# Altium PCB LimeSDR-QPCIe_1v2.PcbDoc (part 14 of 21)
Units mm, origin at the board's own origin, x right, y up, seen from the top; angles counter-clockwise.
Board outline 190 x 111.15 mm, 14 copper layers (Top, L2, L3, L4, L5, L6, L7, L8, L9, L10, L11, L12, L13, Bottom), stack 1.907 mm thick; 2014 components, 1408 nets, 9111 pads, 4171 vias.
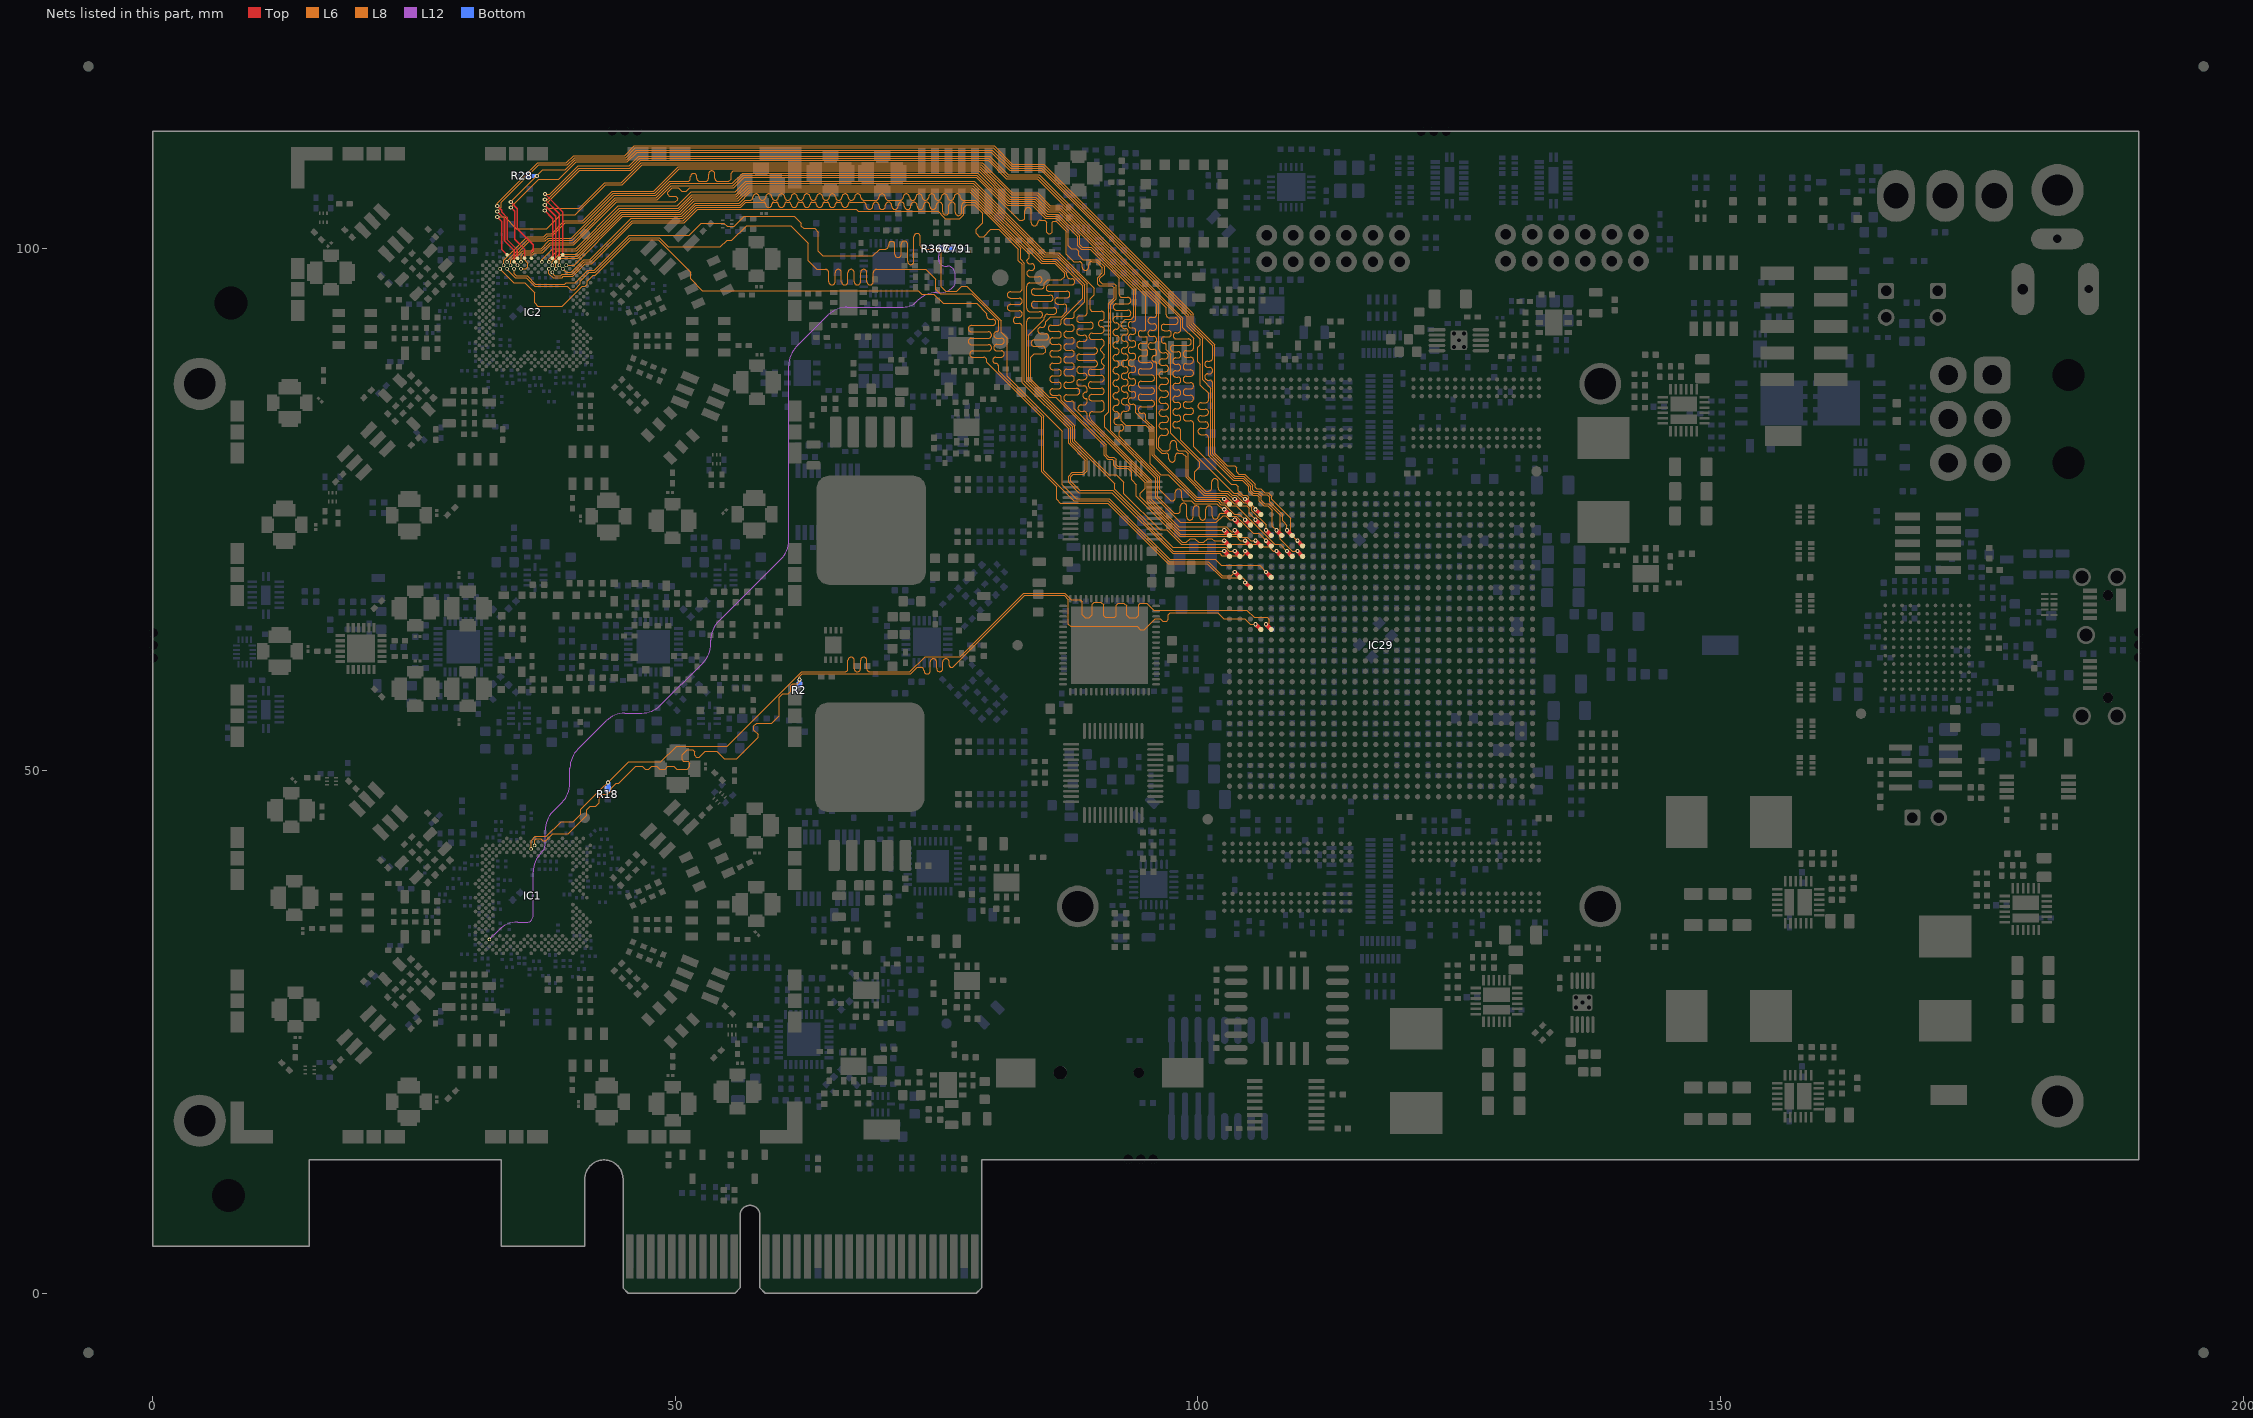
[diagram p26: the nets of this part, all layers, seen from the top]

## Via types
v1: diameter 0.4, hole 0.2, Top to Bottom, tented both sides, 3282 vias
v2: diameter 0.4, hole 0.2, Top to Bottom, tented top, 531 vias
v3: diameter 0.35, hole 0.2, Top to Bottom, tented top, 210 vias
v4: diameter 0.5, hole 0.2, Top to Bottom, tented both sides, 99 vias
v5: diameter 0.5, hole 0.2, Top to Bottom, tented bottom, 49 vias

## Nets (pads, with @x,y where several pads share a name; then routed paths per layer and width w, separated by ;. In a path a pad name is that pad's centre, name@x,y a point inside that pad or via, vN(x,y) a via of type N, cw(c..) or ccw(c..) an arc to the next point about the centre after c; other vN are vias at no path point) (continued)
LMS1_TXNRX1: IC1.V32 IC29.U27 R2.1 | length 96.6
  Top w0.4: v2(105.525,64) IC29.U27@106.025,63.5
  L8 w0.1: v3(36.546,42.843) 36.546,43.346 36.701,43.501 37.124,43.501 37.325,43.3 37.592,43.3 38.261,43.968 39.768,43.968 41.55,45.75 41.55,46.25 41.875,46.575 42.375,46.575 42.725,46.925 42.725,47.425 43.025,47.725 43.525,47.725 43.85,48.05 43.85,48.325 44.338,48.813 44.613,48.813 46.225,50.425 46.85,50.425 47.125,50.15 47.475,50.15 47.725,50.4 48.25,50.4 48.5,50.15 49.025,50.15 49.275,50.4 49.875,50.4 50.125,50.15 51.15,50.15 51.4,50.4 51.4,50.725 51.225,50.9 50.775,50.9 50.65,51.025 50.65,51.525 51.125,52 51.675,52 51.85,51.825 51.85,51.475 52.025,51.3 52.3,51.3 52.85,51.85 53.975,51.85 54.7,51.125 55.867,51.125 57.95,53.208 57.95,53.455 57.525,53.88 57.525,54.275 57.775,54.525 59.225,54.525 59.95,55.25 59.95,57.031 60.294,57.375 60.792,57.375 61.025,57.608 61.025,58.106 61.219,58.3 61.717,58.3 61.875,58.458 v1(61.875,58.7) 61.875,58.956 62.169,59.25 72.533,59.25 73.158,59.875 73.5,59.875 cw(c73.5,59.575) 73.8,59.575 73.8,59.55 ccw(c74.1,59.55) 74.1,59.25 ccw(c74.1,59.55) 74.4,59.55 74.4,59.875 74.4,60.4 cw(c74.7,60.4) 74.7,60.7 cw(c74.7,60.4) 75,60.4 75,59.875 75,59.771 ccw(c75.3,59.771) 75.3,59.471 ccw(c75.3,59.771) 75.6,59.771 75.6,59.875 75.6,60.4 cw(c75.9,60.4) 75.9,60.7 cw(c75.9,60.4) 76.2,60.4 76.2,60.1 ccw(c76.425,60.1) 76.425,59.875 76.533,59.875 83.433,66.775 87.192,66.775 87.6,66.367 87.6,64.025 87.825,63.8 94.2,63.8 94.5,63.5 94.875,63.5 95.925,64.55 96.408,64.55 96.658,64.3 97,64.3 97.175,64.475 97.175,64.925 97.375,65.125 101.9,65.125 102.475,64.55 104.475,64.55 105.025,64 v2(105.525,64)
  Bottom w0.4: R2.1@61.875,58.2 v1(61.875,58.7)
LMS1_TXNRX2: IC1.U31 IC29.U26 R18.1 | length 96.3
  Top w0.4: v2(106.525,64) IC29.U26@107.025,63.5
  L8 w0.1: v3(36.213,42.51) 36.213,43.296 36.618,43.701 37.676,43.701 39.075,45.1 40.25,45.1 40.975,45.825 40.975,46.3 45.526,50.85 48.625,50.85 50.125,52.35 54.986,52.35 62.086,59.45 66.225,59.45 ccw(c66.225,59.75) 66.525,59.75 66.525,60.551 cw(c66.825,60.551) 66.825,60.851 cw(c66.825,60.551) 67.125,60.551 67.125,59.75 ccw(c67.425,59.75) 67.425,59.45 ccw(c67.425,59.75) 67.725,59.75 67.725,60.551 cw(c68.025,60.551) 68.025,60.851 cw(c68.025,60.551) 68.325,60.551 68.325,59.75 ccw(c68.625,59.75) 68.625,59.45 69.175,59.45 72.45,59.45 73.9,60.9 77.275,60.9 83.35,66.975 87.275,66.975 87.9,66.35 88.75,66.35 88.95,66.15 88.95,64.9 89.225,64.625 89.6,64.625 89.9,64.925 89.9,65.925 90.075,66.1 90.725,66.1 90.975,65.85 90.975,64.825 91.15,64.65 92.025,64.65 92.175,64.8 92.175,65.8 92.4,66.025 92.925,66.025 93.2,65.75 93.2,64.85 93.425,64.625 94.1,64.625 94.325,64.85 94.325,65.875 94.475,66.025 95.125,66.025 95.8,65.35 104.68,65.35 105.38,64.65 106.625,64.65 106.825,64.45 106.825,64.1 106.725,64 v2(106.525,64)
  Bottom w0.4: v1(43.55,48.85) 43.6,48.8 R18.1@43.6,48.225
LMS1_TXPLL_CLK: C791.2 IC1.E5 R367.1 | length 94.3
  L12 w0.1: v3(32.217,33.852) 33.109,34.744 cw(c34.905,32.948) 34.905,35.488 35.798,35.488 ccw(c35.798,36.088) 36.398,36.088 36.398,40.311 cw(c38.938,40.311) 37.142,42.107 37.295,42.26 ccw(c36.712,42.843) 37.537,42.843 37.537,44.285 cw(c40.077,44.285) 38.281,46.081 39.181,46.981 ccw(c37.385,48.777) 39.925,48.777 39.925,50.248 cw(c42.465,50.248) 40.669,52.044 43.381,54.756 cw(c45.177,52.96) 45.177,55.5 46.773,55.5 ccw(c46.773,58.04) 48.569,56.244 52.656,60.331 ccw(c50.86,62.127) 53.4,62.127 53.4,62.473 cw(c55.94,62.473) 54.144,64.269 60.106,70.231 ccw(c58.31,72.027) 60.85,72.027 60.85,88.748 cw(c63.39,88.748) 61.594,90.544 64.656,93.606 cw(c66.452,91.81) 66.452,94.35 71.797,94.35 ccw(c71.797,96.228) 73.125,94.9 73.206,94.981 cw(c75.002,93.185) 75.002,95.725 75.212,95.725 ccw(c75.212,97.688) 76.6,96.3 ccw(c76.117,96.783) 76.8,96.783 76.8,97.475 ccw(c76,97.475) 76,98.275 75.8,98.275 cw(c75.8,98.875) 75.2,98.875 75.2,99.275 cw(c75.85,99.275) 75.85,99.925 v1(75.975,99.925)
  Bottom w0.254: R367.1@75.425,99.925 v1(75.975,99.925) C791.2@76.525,99.925
LMS2_CORE_LDO_EN: IC2.U33 IC29.AD23 R28.2 | length 109.6
  Top w0.11: IC2.U33@36.24,99.013 36.24,99.627
  Top w0.13: v1@34.288,104.403 34.288,104.369 34.878,103.779 34.878,101.844 36.397,100.325 36.397,99.784 36.24,99.627
  Top w0.4: v2(109.525,71) IC29.AD23@110.025,70.5
  L6 w0.1: v1(34.263,104.403) 37.335,107.475 39.466,107.475 40.441,108.45 45.335,108.45 46.263,109.378 80.336,109.378 82.089,107.625 85.075,107.625 99.1,93.6 99.1,93.586 99.175,93.511 99.175,92.617 100.447,91.346 100.447,87.378 101.225,86.6 101.225,80.209 103.459,77.975 104.328,77.975 105.075,77.228 105.075,76.794 105.318,76.55 105.753,76.55 106.075,76.228 106.075,75.858 106.383,75.55 106.763,75.55 107.9,74.413 107.9,72.13 109.03,71 v2(109.525,71)
  Bottom w0.4: R28.2@35.875,106.95 35.925,106.9 v1(36.75,106.9)
LMS2_DIQ1_D0: IC2.AG31 IC29.AD25 | length 106.7
  Top w0.4: v2(107.525,71) IC29.AD25@108.025,70.5
  L6 w0.1: v3(39.57,98.347) 40.312,98.347 44.99,103.025 50.616,103.025 51.891,104.3 56.12,104.3 57.195,105.375 78.197,105.375 85.029,98.543 86.286,98.543 87.25,97.579 87.25,97.25 86.95,96.95 85.625,96.95 85.325,96.65 85.325,96.525 85.325,96.415 cw(c85.021,96.415) 85.021,96.111 84.359,96.111 ccw(c84.359,95.807) 84.055,95.807 ccw(c84.359,95.807) 84.359,95.503 85.325,95.503 85.849,95.503 cw(c85.849,95.199) 86.153,95.199 cw(c85.849,95.199) 85.849,94.895 85.325,94.895 84.359,94.895 ccw(c84.359,94.591) 84.055,94.591 ccw(c84.359,94.591) 84.359,94.287 85.325,94.287 86.209,94.287 cw(c86.209,93.983) 86.513,93.983 cw(c86.209,93.983) 86.209,93.679 85.629,93.679 ccw(c85.629,93.375) 85.325,93.375 85.325,93.175 83.833,91.683 83.833,87.383 88.225,82.991 88.225,81.553 91.453,78.325 92.17,78.325 92.925,77.57 92.925,76.5 96.378,73.047 97.022,73.047 97.8,72.27 97.8,72.267 98.417,71.65 106.05,71.65 106.275,71.425 106.775,71.425 107.2,71 v2(107.525,71)
LMS2_DIQ1_D1: IC2.AF30 IC29.AD29 | length 106.8
  Top w0.4: v2(103.525,71) IC29.AD29@104.025,70.5
  L6 w0.1: v3(39.237,98.014) 39.562,97.689 40.037,97.689 41.223,98.875 41.837,98.875 45.787,102.825 50.699,102.825 51.974,104.1 56.203,104.1 56.678,104.575 57.125,104.575 57.133,104.575 ccw(c57.133,104.871) 57.429,104.871 cw(c57.733,104.871) 57.733,105.175 cw(c57.733,104.871) 58.037,104.871 ccw(c58.333,104.871) 58.333,104.575 58.349,104.575 ccw(c58.349,104.871) 58.645,104.871 cw(c58.949,104.871) 58.949,105.175 cw(c58.949,104.871) 59.253,104.871 ccw(c59.549,104.871) 59.549,104.575 59.565,104.575 ccw(c59.565,104.871) 59.861,104.871 cw(c60.165,104.871) 60.165,105.175 cw(c60.165,104.871) 60.469,104.871 ccw(c60.765,104.871) 60.765,104.575 60.781,104.575 ccw(c60.781,104.871) 61.077,104.871 cw(c61.381,104.871) 61.381,105.175 cw(c61.381,104.871) 61.685,104.871 ccw(c61.981,104.871) 61.981,104.575 61.997,104.575 ccw(c61.997,104.871) 62.293,104.871 cw(c62.597,104.871) 62.597,105.175 cw(c62.597,104.871) 62.901,104.871 ccw(c63.197,104.871) 63.197,104.575 63.213,104.575 ccw(c63.213,104.871) 63.509,104.871 cw(c63.813,104.871) 63.813,105.175 cw(c63.813,104.871) 64.117,104.871 ccw(c64.413,104.871) 64.413,104.575 64.429,104.575 ccw(c64.429,104.871) 64.725,104.871 cw(c65.029,104.871) 65.029,105.175 cw(c65.029,104.871) 65.333,104.871 ccw(c65.629,104.871) 65.629,104.575 65.645,104.575 ccw(c65.645,104.871) 65.941,104.871 cw(c66.245,104.871) 66.245,105.175 cw(c66.245,104.871) 66.549,104.871 ccw(c66.845,104.871) 66.845,104.575 66.861,104.575 ccw(c66.861,104.871) 67.157,104.871 cw(c67.461,104.871) 67.461,105.175 cw(c67.461,104.871) 67.765,104.871 ccw(c68.061,104.871) 68.061,104.575 68.373,104.575 68.4,104.575 69.175,104.575 69.183,104.575 ccw(c69.183,104.871) 69.479,104.871 cw(c69.783,104.871) 69.783,105.175 cw(c69.783,104.871) 70.087,104.871 ccw(c70.383,104.871) 70.383,104.575 70.695,104.575 70.8,104.575 71.5,104.575 71.508,104.575 ccw(c71.508,104.871) 71.804,104.871 cw(c72.108,104.871) 72.108,105.175 cw(c72.108,104.871) 72.412,104.871 ccw(c72.708,104.871) 72.708,104.575 72.724,104.575 ccw(c72.724,104.871) 73.02,104.871 cw(c73.324,104.871) 73.324,105.175 cw(c73.324,104.871) 73.628,104.871 ccw(c73.924,104.871) 73.924,104.575 73.94,104.575 ccw(c73.94,104.871) 74.236,104.871 cw(c74.54,104.871) 74.54,105.175 cw(c74.54,104.871) 74.844,104.871 ccw(c75.14,104.871) 75.14,104.575 75.156,104.575 ccw(c75.156,104.871) 75.452,104.871 cw(c75.756,104.871) 75.756,105.175 cw(c75.756,104.871) 76.06,104.871 ccw(c76.356,104.871) 76.356,104.575 76.372,104.575 ccw(c76.372,104.871) 76.668,104.871 cw(c76.972,104.871) 76.972,105.175 cw(c76.972,104.871) 77.276,104.871 ccw(c77.572,104.871) 77.572,104.575 77.884,104.575 78.15,104.575 78.714,104.575 83.875,99.414 83.875,99.075 83.625,98.825 83.625,98.8 83.625,98.79 ccw(c83.929,98.79) 83.929,98.486 84.097,98.486 cw(c84.097,98.182) 84.401,98.182 cw(c84.097,98.182) 84.097,97.878 83.929,97.878 ccw(c83.929,97.574) 83.625,97.574 ccw(c83.929,97.574) 83.929,97.27 84.792,97.27 cw(c84.792,96.966) 85.096,96.966 cw(c84.792,96.966) 84.792,96.662 83.929,96.662 ccw(c83.929,96.358) 83.625,96.358 83.625,96.054 83.625,95.75 83.625,94.975 83.625,94.528 83.625,94.224 ccw(c83.929,94.224) 83.929,93.92 84.845,93.92 cw(c84.845,93.616) 85.149,93.616 cw(c84.845,93.616) 84.845,93.312 83.929,93.312 ccw(c83.929,93.008) 83.625,93.008 83.625,92.704 83.625,92.4 83.625,87.308 88.025,82.908 88.025,81.47 92.05,77.445 92.05,76.896 97.596,71.35 102.675,71.35 103.025,71 v2(103.525,71)
LMS2_DIQ1_D2: IC2.AF34 IC29.AH27 | length 106.7
  Top w0.15: v1@37.531,105.16 39.237,103.455 IC2.AF34@39.237,99.346
  Top w0.4: v2(105.525,75) IC29.AH27@106.025,74.5
  L6 w0.1: v1(37.524,105.153) 37.994,105.153 40.416,107.575 40.42,107.575 40.695,107.85 45.584,107.85 46.512,108.778 52.344,108.778 52.348,108.775 52.618,108.775 52.622,108.778 80.088,108.778 81.841,107.025 84.827,107.025 98.5,93.352 98.5,93.338 98.575,93.263 98.575,92.369 99.593,91.351 99.593,91.075 99.593,90.771 99.593,90.467 cw(c99.289,90.467) 99.289,90.163 98.893,90.163 ccw(c98.893,89.859) 98.589,89.859 ccw(c98.893,89.859) 98.893,89.555 99.289,89.555 cw(c99.289,89.251) 99.593,89.251 cw(c99.289,89.251) 99.289,88.947 98.893,88.947 ccw(c98.893,88.643) 98.589,88.643 ccw(c98.893,88.643) 98.893,88.339 99.289,88.339 cw(c99.289,88.035) 99.593,88.035 cw(c99.289,88.035) 99.289,87.731 98.893,87.731 ccw(c98.893,87.427) 98.589,87.427 ccw(c98.893,87.427) 98.893,87.123 99.289,87.123 cw(c99.289,86.819) 99.593,86.819 cw(c99.289,86.819) 99.289,86.515 98.893,86.515 ccw(c98.893,86.211) 98.589,86.211 ccw(c98.893,86.211) 98.893,85.907 99.289,85.907 cw(c99.289,85.603) 99.593,85.603 cw(c99.289,85.603) 99.289,85.299 98.893,85.299 ccw(c98.893,84.995) 98.589,84.995 ccw(c98.893,84.995) 98.893,84.691 99.289,84.691 cw(c99.289,84.387) 99.593,84.387 cw(c99.289,84.387) 99.289,84.083 98.893,84.083 ccw(c98.893,83.779) 98.589,83.779 ccw(c98.893,83.779) 98.893,83.475 99.289,83.475 cw(c99.289,83.171) 99.593,83.171 99.593,80.993 99.807,80.778 99.886,80.7 103.211,77.375 103.645,77.375 103.875,77.145 103.875,76.775 104.3,76.35 104.67,76.35 104.875,76.145 104.875,75.711 105.525,75.061 v2(105.525,75)
LMS2_DIQ1_D3: IC2.AE31 IC29.AE30 | length 106.9
  Top w0.4: v2(102.525,72) IC29.AE30@103.025,71.5
  L6 w0.1: v3(38.904,98.347) 38.904,98.807 39.102,99.005 40.688,99.005 44.907,103.225 50.533,103.225 51.808,104.5 56.037,104.5 57.112,105.575 78.28,105.575 84.705,99.15 85.112,98.743 86.369,98.743 87.475,97.637 87.475,97.375 ccw(c87.779,97.375) 87.779,97.071 87.915,97.071 cw(c87.915,96.767) 88.219,96.767 cw(c87.915,96.767) 87.915,96.463 87.475,96.463 85.787,96.463 ccw(c85.787,96.159) 85.483,96.159 ccw(c85.787,96.159) 85.787,95.855 87.475,95.855 cw(c87.475,95.57) 87.76,95.57 87.76,95.532 cw(c87.475,95.532) 87.475,95.247 86.615,95.247 ccw(c86.615,94.943) 86.311,94.943 ccw(c86.615,94.943) 86.615,94.639 87.171,94.639 cw(c87.171,94.335) 87.475,94.335 87.475,94.15 87.475,93.968 86.953,93.447 85.922,93.447 85.425,92.95 85.425,92.725 cw(c85.121,92.725) 85.121,92.421 84.98,92.421 ccw(c84.98,92.117) 84.676,92.117 ccw(c84.98,92.117) 84.98,91.813 85.425,91.813 85.432,91.813 cw(c85.432,91.509) 85.736,91.509 cw(c85.432,91.509) 85.432,91.205 85.425,91.205 84.337,91.205 ccw(c84.337,90.901) 84.033,90.901 ccw(c84.337,90.901) 84.337,90.597 85.121,90.597 cw(c85.121,90.293) 85.425,90.293 85.425,90.175 85.425,90.075 85.225,89.875 84.35,89.875 84.033,89.558 84.033,87.466 85.782,85.717 86.401,85.717 91.025,81.092 91.025,80.15 91.375,79.8 91.825,79.8 91.975,79.65 91.975,79.2 92.25,78.925 93.295,78.925 93.675,78.545 93.675,77.82 94.125,77.37 94.125,76.228 98.503,71.85 98.9,71.85 99.25,72.2 99.725,72.2 100.075,71.85 100.575,71.85 100.925,72.2 101.35,72.2 101.55,72 v2(102.525,72)
LMS2_DIQ1_D4: IC2.AD30 IC29.AE28 | length 106.6
  Top w0.4: v2(104.525,72) IC29.AE28@105.025,71.5
  L6 w0.1: v3(38.571,98.014) 38.571,98.796 38.98,99.205 40.605,99.205 44.825,103.425 50.45,103.425 51.725,104.7 55.938,104.7 57.013,105.775 78.362,105.775 84.457,99.68 85.194,98.943 86.452,98.943 89,96.395 89,95.21 86.95,93.16 86.95,92.925 cw(c86.646,92.925) 86.646,92.621 85.984,92.621 ccw(c85.984,92.317) 85.68,92.317 ccw(c85.984,92.317) 85.984,92.013 86.646,92.013 cw(c86.646,91.709) 86.95,91.709 cw(c86.646,91.709) 86.646,91.405 86.129,91.405 ccw(c86.129,91.101) 85.825,91.101 ccw(c86.129,91.101) 86.129,90.797 86.646,90.797 cw(c86.646,90.493) 86.95,90.493 cw(c86.646,90.493) 86.646,90.189 86.129,90.189 ccw(c86.129,89.885) 85.825,89.885 ccw(c86.129,89.885) 86.129,89.581 86.646,89.581 cw(c86.646,89.277) 86.95,89.277 cw(c86.646,89.277) 86.646,88.973 86.129,88.973 ccw(c86.129,88.669) 85.825,88.669 ccw(c86.129,88.669) 86.129,88.365 86.646,88.365 cw(c86.646,88.061) 86.95,88.061 cw(c86.646,88.061) 86.646,87.757 86.129,87.757 ccw(c86.129,87.453) 85.825,87.453 ccw(c86.129,87.453) 86.129,87.149 86.646,87.149 cw(c86.646,86.845) 86.95,86.845 cw(c86.646,86.845) 86.646,86.541 86.129,86.541 ccw(c86.129,86.237) 85.825,86.237 ccw(c86.129,86.237) 86.129,85.933 86.646,85.933 cw(c86.646,85.629) 86.95,85.629 86.95,85.6 86.95,85.45 91.225,81.175 91.225,80.233 91.458,80 91.975,80 92.175,79.8 92.175,79.283 92.333,79.125 93.378,79.125 94.95,77.553 94.95,77.025 94.475,76.55 94.475,76.178 98.253,72.4 103.675,72.4 104.075,72 v2(104.525,72)
LMS2_DIQ1_D5: IC2.AC29 IC29.AD30 | length 106.8
  Top w0.4: v2(102.525,71) IC29.AD30@103.025,70.5
  L6 w0.1: v3(38.238,97.681) 38.238,97.605 38.486,97.356 39.056,97.356 39.189,97.489 40.12,97.489 41.306,98.675 41.919,98.675 45.869,102.625 50.781,102.625 52.056,103.9 56.286,103.9 56.761,104.375 57.725,104.375 58.029,104.375 58.457,104.375 cw(c58.457,104.195) 58.637,104.195 ccw(c58.941,104.195) 58.941,103.891 ccw(c58.941,104.195) 59.245,104.195 cw(c59.425,104.195) 59.425,104.375 59.673,104.375 cw(c59.673,104.195) 59.853,104.195 ccw(c60.157,104.195) 60.157,103.891 ccw(c60.157,104.195) 60.461,104.195 cw(c60.641,104.195) 60.641,104.375 60.889,104.375 cw(c60.889,104.195) 61.069,104.195 ccw(c61.373,104.195) 61.373,103.891 ccw(c61.373,104.195) 61.677,104.195 cw(c61.857,104.195) 61.857,104.375 62.105,104.375 cw(c62.105,104.195) 62.285,104.195 ccw(c62.589,104.195) 62.589,103.891 ccw(c62.589,104.195) 62.893,104.195 cw(c63.073,104.195) 63.073,104.375 63.321,104.375 cw(c63.321,104.195) 63.501,104.195 ccw(c63.805,104.195) 63.805,103.891 ccw(c63.805,104.195) 64.109,104.195 cw(c64.289,104.195) 64.289,104.375 64.537,104.375 cw(c64.537,104.195) 64.717,104.195 ccw(c65.021,104.195) 65.021,103.891 ccw(c65.021,104.195) 65.325,104.195 cw(c65.505,104.195) 65.505,104.375 65.753,104.375 cw(c65.753,104.195) 65.933,104.195 ccw(c66.237,104.195) 66.237,103.891 ccw(c66.237,104.195) 66.541,104.195 cw(c66.721,104.195) 66.721,104.375 67.149,104.375 67.55,104.375 67.975,104.375 cw(c67.975,104.071) 68.279,104.071 68.279,104.004 ccw(c68.583,104.004) 68.583,103.7 ccw(c68.583,104.004) 68.887,104.004 68.887,104.071 cw(c69.191,104.071) 69.191,104.375 cw(c69.191,104.071) 69.495,104.071 69.495,104.004 ccw(c69.799,104.004) 69.799,103.7 ccw(c69.799,104.004) 70.103,104.004 70.103,104.071 cw(c70.407,104.071) 70.407,104.375 cw(c70.407,104.071) 70.711,104.071 70.711,104.004 ccw(c71.015,104.004) 71.015,103.7 ccw(c71.015,104.004) 71.319,104.004 71.319,104.071 cw(c71.623,104.071) 71.623,104.375 cw(c71.623,104.071) 71.927,104.071 71.927,104.004 ccw(c72.231,104.004) 72.231,103.7 ccw(c72.231,104.004) 72.535,104.004 72.535,104.071 cw(c72.839,104.071) 72.839,104.375 cw(c72.839,104.071) 73.143,104.071 73.143,104.004 ccw(c73.447,104.004) 73.447,103.7 ccw(c73.447,104.004) 73.751,104.004 73.751,104.071 cw(c74.055,104.071) 74.055,104.375 cw(c74.055,104.071) 74.359,104.071 74.359,104.004 ccw(c74.663,104.004) 74.663,103.7 ccw(c74.663,104.004) 74.967,104.004 74.967,104.071 cw(c75.271,104.071) 75.271,104.375 cw(c75.271,104.071) 75.575,104.071 75.575,103.474 ccw(c75.879,103.474) 75.879,103.17 ccw(c75.879,103.474) 76.183,103.474 76.183,104.071 cw(c76.487,104.071) 76.487,104.375 cw(c76.487,104.071) 76.791,104.071 76.791,103.409 ccw(c77.095,103.409) 77.095,103.105 ccw(c77.095,103.409) 77.399,103.409 77.399,104.071 cw(c77.703,104.071) 77.703,104.375 78.007,104.375 78.3,104.375 78.631,104.375 83.05,99.956 83.05,98.925 83.409,98.566 83.409,87.241 87.825,82.825 87.825,81.387 89.425,79.787 89.425,78.7 89.075,78.35 88.075,78.35 87.825,78.1 87.825,77.675 88.7,76.8 91.863,76.8 97.663,71 v2(102.525,71)
LMS2_DIQ1_D6: IC2.AE33 IC29.AJ28 | length 106.5
  Top w0.15: v1@37.528,104.638 38.887,103.28 38.887,99.03 IC2.AE33@38.904,99.013
  Top w0.4: v2(104.525,76) IC29.AJ28@105.025,75.5
  L6 w0.1: v1(37.519,104.628) 37.753,104.628 40.15,107.025 40.152,107.025 40.777,107.65 45.667,107.65 46.595,108.578 52.262,108.578 52.265,108.575 52.701,108.575 52.704,108.578 80.005,108.578 81.758,106.825 84.744,106.825 98.3,93.269 98.3,93.255 98.373,93.182 98.373,92.825 98.373,92.521 98.373,92.217 cw(c98.069,92.217) 98.069,91.913 97.946,91.913 ccw(c97.946,91.609) 97.642,91.609 ccw(c97.946,91.609) 97.946,91.305 98.373,91.305 99.085,91.305 cw(c99.085,91.001) 99.389,91.001 cw(c99.085,91.001) 99.085,90.697 98.373,90.697 97.661,90.697 ccw(c97.661,90.393) 97.357,90.393 ccw(c97.661,90.393) 97.661,90.089 98.069,90.089 cw(c98.069,89.785) 98.373,89.785 cw(c98.069,89.785) 98.069,89.481 97.898,89.481 ccw(c97.898,89.177) 97.594,89.177 ccw(c97.898,89.177) 97.898,88.873 98.069,88.873 cw(c98.069,88.569) 98.373,88.569 cw(c98.069,88.569) 98.069,88.265 97.898,88.265 ccw(c97.898,87.961) 97.594,87.961 ccw(c97.898,87.961) 97.898,87.657 98.069,87.657 cw(c98.069,87.353) 98.373,87.353 cw(c98.069,87.353) 98.069,87.049 97.898,87.049 ccw(c97.898,86.745) 97.594,86.745 ccw(c97.898,86.745) 97.898,86.441 98.069,86.441 cw(c98.069,86.137) 98.373,86.137 cw(c98.069,86.137) 98.069,85.833 97.898,85.833 ccw(c97.898,85.529) 97.594,85.529 ccw(c97.898,85.529) 97.898,85.225 98.069,85.225 cw(c98.069,84.921) 98.373,84.921 cw(c98.069,84.921) 98.069,84.617 97.898,84.617 ccw(c97.898,84.313) 97.594,84.313 ccw(c97.898,84.313) 97.898,84.009 98.069,84.009 cw(c98.069,83.705) 98.373,83.705 cw(c98.069,83.705) 98.069,83.401 97.898,83.401 ccw(c97.898,83.097) 97.594,83.097 ccw(c97.898,83.097) 97.898,82.793 98.069,82.793 cw(c98.069,82.489) 98.373,82.489 98.373,82.05 98.373,81.589 103.412,76.55 103.817,76.55 104.367,76 v2(104.525,76)
LMS2_DIQ1_D7: IC2.AD32 IC29.AF26 | length 106.8
  Top w0.11: IC2.AD32@38.571,98.68 38.571,99.288
  Top w0.15: v1(37.513,104.103) 37.519,104.103 38.571,103.051 38.571,101.516 38.571,99.288
  Top w0.4: v2(106.525,73) IC29.AF26@107.025,72.5
  L6 w0.1: v1(37.513,104.103) 40.86,107.45 45.75,107.45 46.678,108.378 52.179,108.378 52.182,108.375 52.784,108.375 52.787,108.378 79.922,108.378 81.675,106.625 84.647,106.625 96.975,94.297 96.975,93.625 ccw(c97.279,93.625) 97.279,93.321 97.825,93.321 cw(c97.825,93.017) 98.129,93.017 cw(c97.825,93.017) 97.825,92.713 96.975,92.713 96.779,92.713 ccw(c96.779,92.409) 96.475,92.409 ccw(c96.779,92.409) 96.779,92.105 96.975,92.105 97.161,92.105 cw(c97.161,91.801) 97.465,91.801 cw(c97.161,91.801) 97.161,91.497 96.975,91.497 96.779,91.497 ccw(c96.779,91.193) 96.475,91.193 ccw(c96.779,91.193) 96.779,90.889 cw(c96.779,90.693) 96.975,90.693 96.975,90.275 97.394,89.856 97.394,82.281 100.175,79.5 100.175,79.05 99.725,78.6 99.725,77.775 100.75,76.75 101.025,76.75 ccw(c101.025,77.054) 101.329,77.054 101.329,77.616 cw(c101.633,77.616) 101.633,77.92 cw(c101.633,77.616) 101.937,77.616 101.937,77.054 ccw(c102.241,77.054) 102.241,76.75 102.545,76.75 102.75,76.75 102.9,76.75 103.3,76.35 103.68,76.35 104.38,75.65 104.653,75.65 105.175,75.128 105.175,74.855 106.525,73.505 v2(106.525,73)